# Altium PCB PCB3.PcbDoc (part 2 of 3)
Units mm, origin at the board's own origin, x right, y up, seen from the top; angles counter-clockwise.
Board outline 240 x 180 mm, 2 copper layers (Top Layer, Bottom Layer); 208 components, 303 nets, 1018 pads, 413 vias.
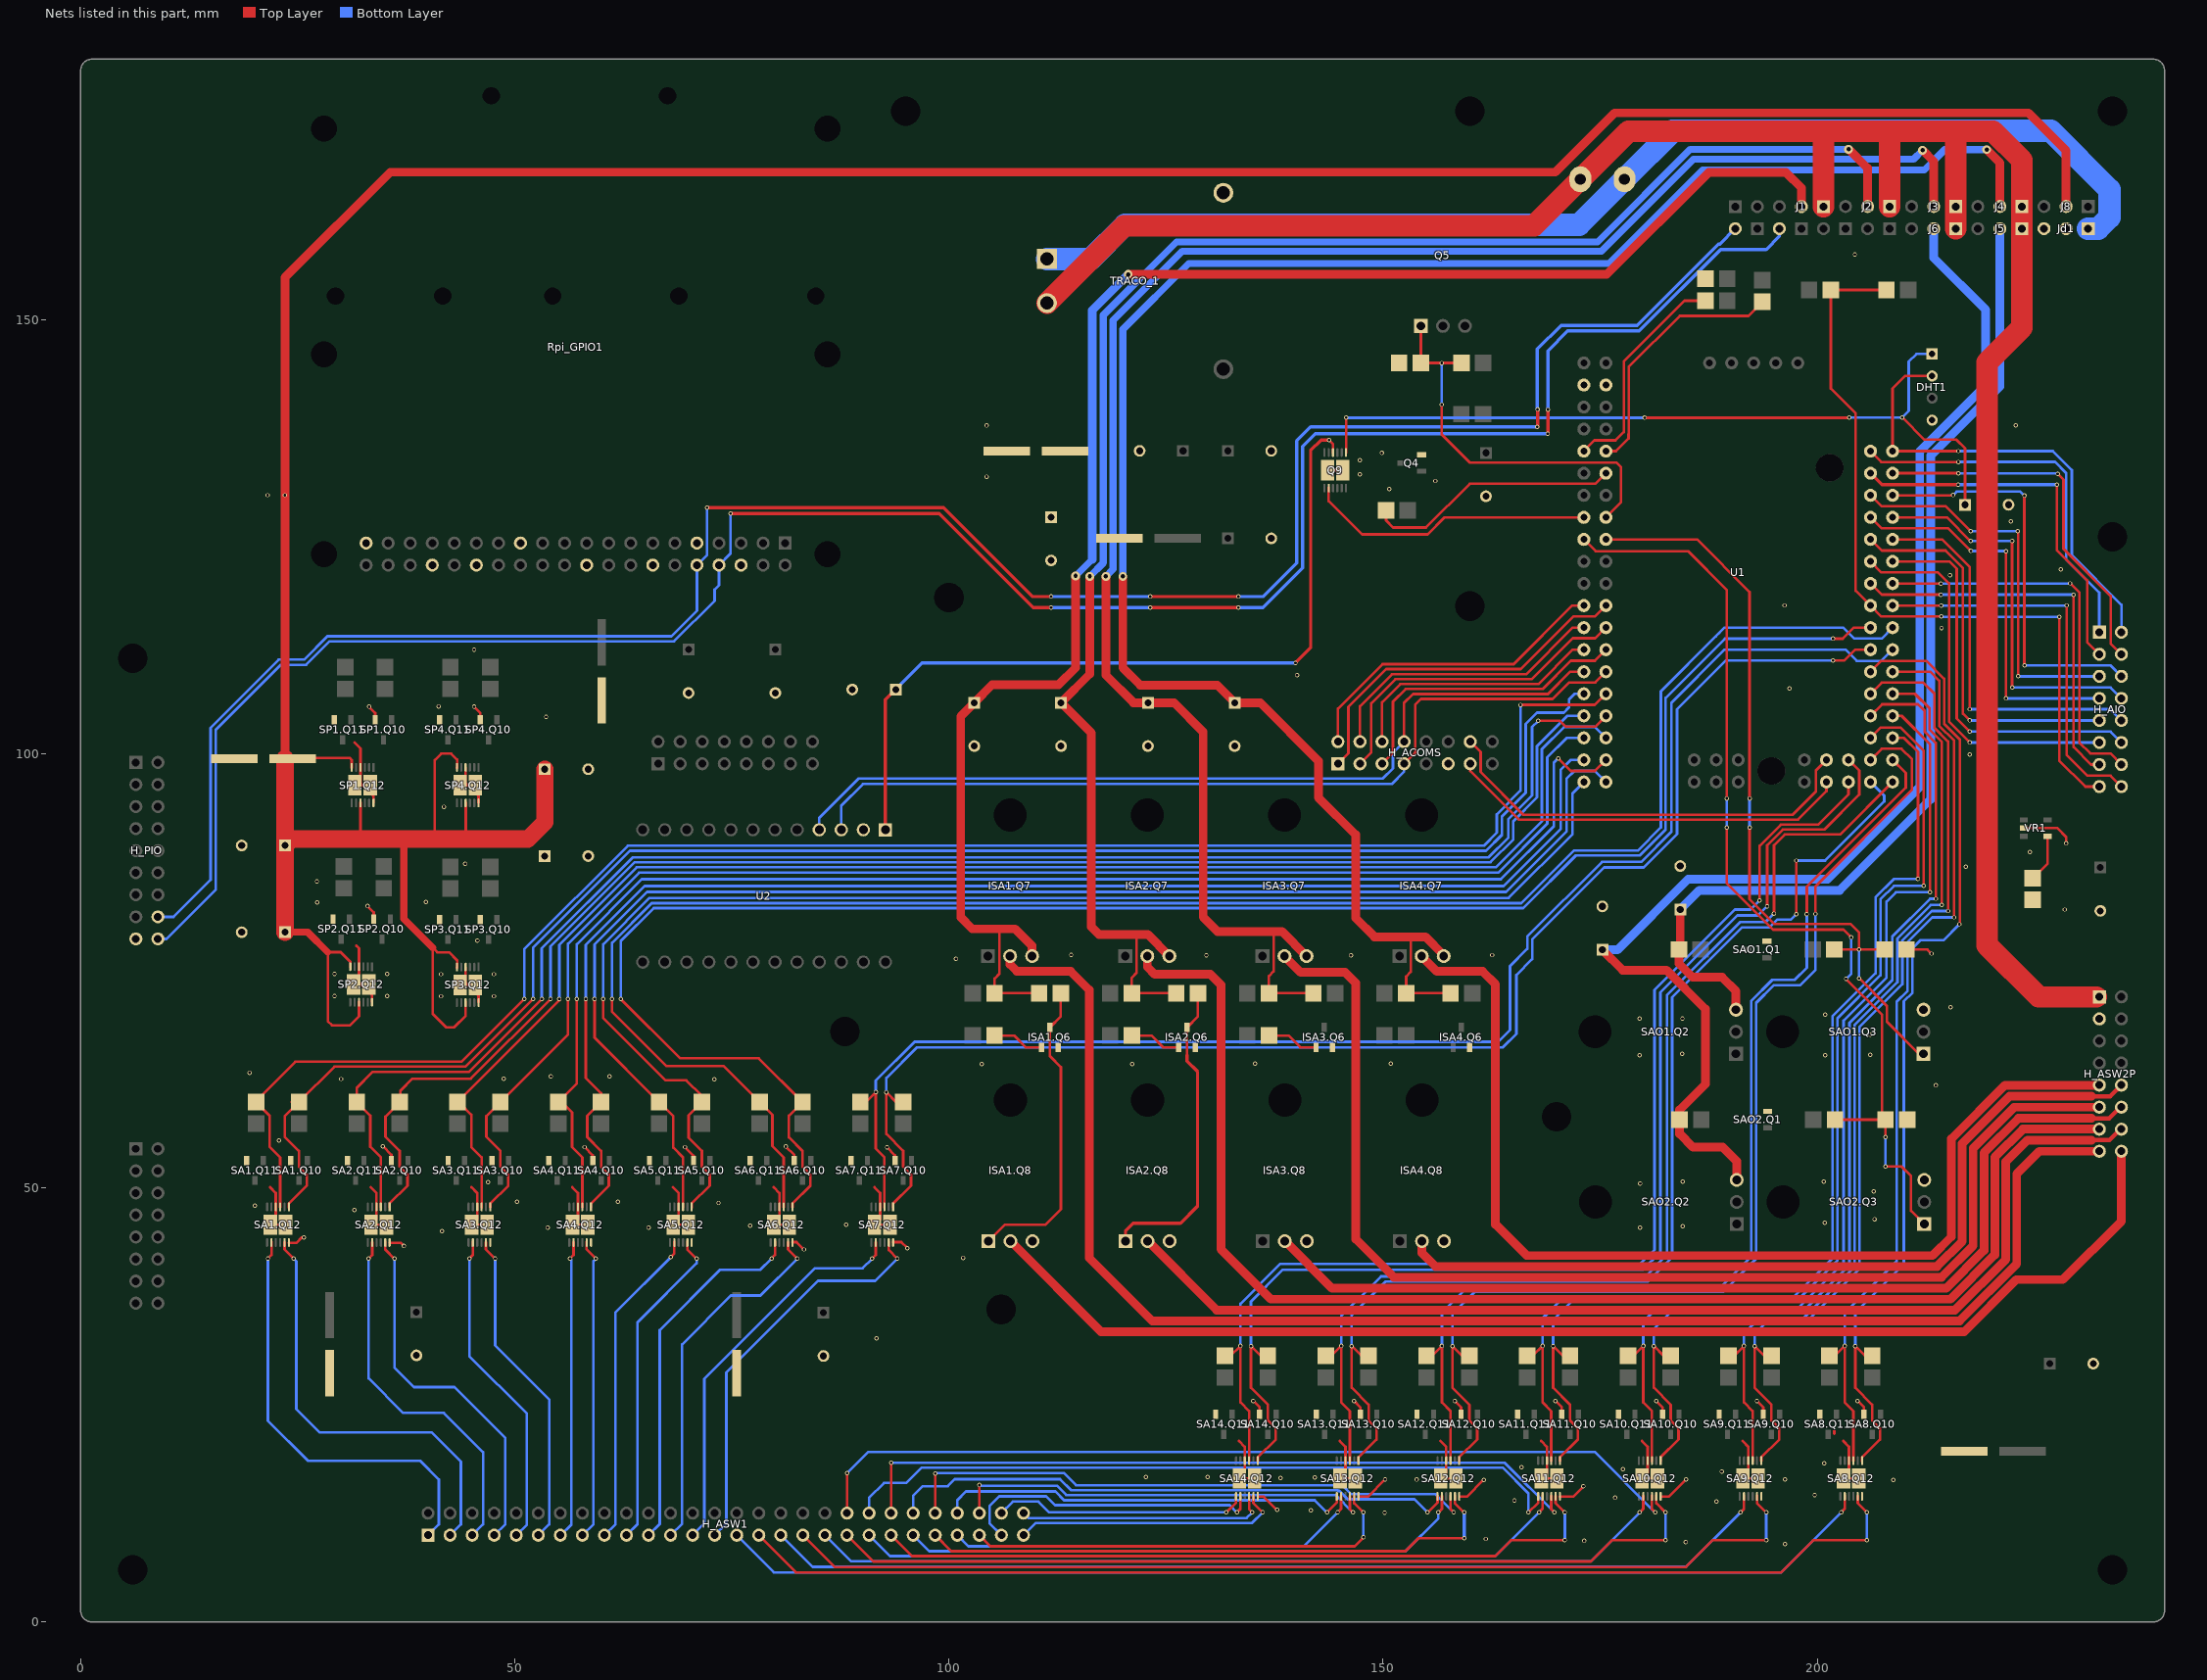
[diagram p2: the nets of this part, all layers, seen from the top]

## Via types
v1: diameter 0.5, hole 0.3, Top Layer to Bottom Layer, 405 vias
v2: diameter 1, hole 0.5, Top Layer to Bottom Layer, 8 vias

## Nets (pads, with @x,y where several pads share a name; then routed paths per layer and width w, separated by ;. In a path a pad name is that pad's centre, name@x,y a point inside that pad or via, vN(x,y) a via of type N, cw(c..) or ccw(c..) an arc to the next point about the centre after c; other vN are vias at no path point) (continued)
5V_HS_20: H_ASW1.40 SA10.Q12.10 | length 103.6
  Top Layer w0.305: H_ASW1.40@88.26,12.54 v1(88.26,17.15) ; SA10.Q12.10@180.97,14.53 180.97,12.994 v1(181.334,12.63)
  Bottom Layer w0.305: v1(88.26,17.15) 90.702,19.592 174.372,19.592 v1(181.334,12.63)
5V_HS_21: H_ASW1.42 SA11.Q12.7 | length 84.9
  Top Layer w0.305: v1(166.734,12.63) 167.87,13.766 SA11.Q12.7@167.87,14.53
  Bottom Layer w0.305: H_ASW1.42@90.8,12.54 90.8,14.3 92.51,16.01 95.08,16.01 96.85,17.78 163.794,17.78 166.734,14.84 v1(166.734,12.63)
5V_HS_22: H_ASW1.44 SA11.Q12.10 | length 86.6
  Top Layer w0.305: H_ASW1.44@93.34,12.54 v1(93.34,18.34) ; SA11.Q12.10@169.37,14.53 169.37,12.994 v1(169.734,12.63)
  Bottom Layer w0.305: v1(93.34,18.34) 164.025,18.339 v1(169.734,12.63)
5V_HS_23: H_ASW1.46 SA12.Q12.7 | length 66
  Top Layer w0.305: v1(155.134,12.63) 156.27,13.766 SA12.Q12.7@156.27,14.53
  Bottom Layer w0.305: H_ASW1.46@95.87,12.54 95.87,14.54 96.97,15.64 99.86,15.64 100.66,16.44 112.799,16.44 114.05,15.189 114.96,15.189 144.765,15.189 144.864,15.09 144.97,15.09 145.92,14.14 153.624,14.14 v1(155.134,12.63)
5V_HS_24: H_ASW1.48 SA12.Q12.10 | length 68.2
  Top Layer w0.305: H_ASW1.48@98.42,12.54 v1(98.42,17.1) ; SA12.Q12.10@157.77,14.53 157.77,12.994 v1(158.134,12.63)
  Bottom Layer w0.305: v1@98.42,17.169 100.598,17.169 113.21,17.169 114.619,15.76 145.3,15.76 146.34,14.72 156.044,14.72 v1(158.134,12.63)
5V_HS_25: H_ASW1.50 SA13.Q12.7 | length 47.8
  Top Layer w0.305: v1(143.534,12.63) 144.67,13.766 SA13.Q12.7@144.67,14.53
  Bottom Layer w0.305: H_ASW1.50@100.96,12.54 100.96,14.02 101.97,15.03 112.26,15.03 113.26,14.03 142.134,14.03 v1(143.534,12.63)
5V_HS_26: H_ASW1.52 SA13.Q12.10 | length 49.7
  Top Layer w0.305: H_ASW1.52@103.5,12.54 v1@103.5,15.7 ; SA13.Q12.10@146.17,14.53 146.17,12.994 v1(146.534,12.63)
  Bottom Layer w0.305: H_ASW1.52@103.5,12.54 H_ASW1.52@103.5,12.73 ; v1@103.5,15.7 112.46,15.7 113.52,14.64 ; 113.52,14.63 144.534,14.63 v1(146.534,12.63)
  other v1: 103.49,15.777
5V_HS_27: H_ASW1.54 SA14.Q12.7 | length 29.3
  Top Layer w0.305: v1(131.934,12.63) 133.07,13.766 SA14.Q12.7@133.07,14.53
  Bottom Layer w0.305: H_ASW1.54@106.04,12.54 107.37,13.87 110.32,13.87 111.56,12.63 v1(131.934,12.63)
5V_HS_28: H_ASW1.56 SA14.Q12.10 | length 28.9
  Top Layer w0.305: SA14.Q12.10@134.57,14.53 134.57,12.994 v1(134.934,12.63)
  Bottom Layer w0.305: H_ASW1.56@108.58,12.54 109.146,11.974 134.277,11.974 v1(134.934,12.63)
5V_LS_1: H_ASW1.1 SA1.Q12.8 | length 50.2
  Top Layer w0.305: v1(21.562,41.86) 21.97,42.268 SA1.Q12.8@21.97,43.76
  Bottom Layer w0.305: v1(21.562,41.86) 21.562,23.168 26.168,18.562 39.086,18.562 41.24,16.408 41.24,11.24 H_ASW1.1@40,10
5V_LS_2: H_ASW1.3 SA1.Q12.11 | length 50.3
  Top Layer w0.305: SA1.Q12.11@23.47,43.76 23.47,42.924 v1(24.534,41.86)
  Bottom Layer w0.305: v1(24.534,41.86) 24.83,41.564 24.83,24.522 27.522,21.83 40.44,21.83 43.78,18.49 43.78,11.24 H_ASW1.3@42.54,10
5V_LS_3: H_ASW1.5 SA2.Q12.8 | length 42.6
  Top Layer w0.305: v1(33.162,41.86) 33.57,42.268 SA2.Q12.8@33.57,43.76
  Bottom Layer w0.305: v1(33.162,41.86) 33.162,28.065 37.149,24.078 41.819,24.078 46.34,19.557 46.34,11.26 H_ASW1.5@45.08,10
5V_LS_4: H_ASW1.7 SA2.Q12.11 | length 42.8
  Top Layer w0.305: SA2.Q12.11@35.07,43.76 35.07,42.924 v1(36.134,41.86)
  Bottom Layer w0.305: v1(36.134,41.86) 36.134,29.296 38.38,27.05 43.05,27.05 48.9,21.2 48.9,11.28 H_ASW1.7@47.62,10
5V_LS_5: H_ASW1.9 SA3.Q12.8 | length 37.2
  Top Layer w0.305: v1(44.762,41.86) 45.17,42.268 SA3.Q12.8@45.17,43.76
  Bottom Layer w0.305: v1(44.762,41.86) 44.762,30.625 51.38,24.007 51.38,11.22 H_ASW1.9@50.16,10
5V_LS_6: H_ASW1.11 SA3.Q12.11 | length 37.3
  Top Layer w0.305: SA3.Q12.11@46.67,43.76 46.67,42.924 v1(47.734,41.86)
  Bottom Layer w0.305: v1(47.734,41.86) 47.734,31.856 53.96,25.63 53.96,11.26 H_ASW1.11@52.7,10
5V_LS_7: H_ASW1.13 SA4.Q12.8 | length 34.5
  Top Layer w0.305: v1(56.362,41.86) 56.77,42.268 SA4.Q12.8@56.77,43.76
  Bottom Layer w0.305: H_ASW1.13@55.3,10.01 56.52,11.23 56.52,41.702 v1(56.362,41.86)
5V_LS_8: H_ASW1.15 SA4.Q12.11 | length 34.8
  Top Layer w0.305: SA4.Q12.11@58.27,43.76 58.27,42.924 v1(59.334,41.86)
  Bottom Layer w0.305: H_ASW1.15@57.78,10 59.05,11.27 59.05,41.576 v1(59.334,41.86)
5V_LS_9: H_ASW1.17 SA5.Q12.8 | length 37.1
  Top Layer w0.305: v1(67.956,42.027) 68.37,42.441 SA5.Q12.8@68.37,43.76
  Bottom Layer w0.305: H_ASW1.17@60.32,10 61.6,11.28 61.6,35.671 v1(67.956,42.027)
5V_LS_10: H_ASW1.19 SA5.Q12.11 | length 37.5
  Top Layer w0.305: SA5.Q12.11@69.87,43.76 69.87,42.924 v1(70.934,41.86)
  Bottom Layer w0.305: H_ASW1.19@62.86,10 64.12,11.26 64.12,34.49 70.934,41.304 v1(70.934,41.86)
5V_LS_11: H_ASW1.21 SA6.Q12.8 | length 42.5
  Top Layer w0.305: v1(79.562,41.86) 79.97,42.268 SA6.Q12.8@79.97,43.76
  Bottom Layer w0.305: H_ASW1.21@65.4,10 66.69,11.29 66.69,33.616 73.656,40.582 78.284,40.582 v1(79.562,41.86)
5V_LS_12: H_ASW1.23 SA6.Q12.11 | length 42.2
  Top Layer w0.305: SA6.Q12.11@81.47,43.76 81.47,42.924 v1(82.534,41.86)
  Bottom Layer w0.305: H_ASW1.23@67.94,10 69.26,11.32 69.26,31.983 74.887,37.61 78.284,37.61 v1(82.534,41.86) v1@82.536,41.858
5V_LS_13: H_ASW1.25 SA7.Q12.8 | length 45.7
  Top Layer w0.305: v1(91.162,41.86) 91.57,42.268 SA7.Q12.8@91.57,43.76
  Bottom Layer w0.305: H_ASW1.25@70.48,10 71.83,11.35 71.83,28.019 84.551,40.74 90.042,40.74 v1(91.162,41.86)
5V_LS_14: H_ASW1.27 SA7.Q12.11 | length 46.7
  Top Layer w0.305: SA7.Q12.11@93.07,43.76 93.07,43.66 93.07,42.84 v1(94.05,41.86)
  Bottom Layer w0.305: H_ASW1.27@73.02,10 74.36,11.34 74.36,28.741 84.924,39.305 91.495,39.305 v1(94.05,41.86) v1@94.056,41.854
5V_LS_15: H_ASW1.29 SA8.Q12.8 | length 133.9
  Top Layer w0.305: v1(202.762,12.63) 203.17,13.038 SA8.Q12.8@203.17,14.53
  Bottom Layer w0.305: H_ASW1.29@75.56,10 79.841,5.719 195.851,5.719 v1(202.762,12.63)
5V_LS_16: H_ASW1.31 SA8.Q12.11 | length 136.5
  Top Layer w0.305: H_ASW1.31@78.1,10 82.381,5.719 195.851,5.719 199.542,9.41 v1(205.734,9.41) ; SA8.Q12.11@204.67,14.53 204.67,13.694 v1(205.734,12.63)
  Bottom Layer w0.305: v1(205.734,9.41) v1(205.734,12.63)
5V_LS_17: H_ASW1.33 SA9.Q12.8 | length 116.7
  Top Layer w0.305: v1(191.162,12.63) 191.57,13.038 SA9.Q12.8@191.57,14.53
  Bottom Layer w0.305: H_ASW1.33@80.64,10 84.286,6.354 184.886,6.354 v1(191.162,12.63)
5V_LS_18: H_ASW1.35 SA9.Q12.11 | length 119.3
  Top Layer w0.305: H_ASW1.35@83.18,10 86.846,6.334 184.866,6.334 187.942,9.41 v1(194.134,9.41) ; SA9.Q12.11@193.07,14.53 193.07,13.694 v1(194.134,12.63)
  Bottom Layer w0.305: v1(194.134,9.41) v1(194.134,12.63)
5V_LS_19: H_ASW1.37 SA10.Q12.8 | length 99.5
  Top Layer w0.305: v1(179.562,12.63) 179.97,13.038 SA10.Q12.8@179.97,14.53
  Bottom Layer w0.305: H_ASW1.37@85.72,10 88.731,6.989 173.921,6.989 v1(179.562,12.63)
5V_LS_20: H_ASW1.39 SA10.Q12.11 | length 102.1
  Top Layer w0.305: H_ASW1.39@88.26,10 91.281,6.979 173.911,6.979 176.342,9.41 v1(182.534,9.41) ; SA10.Q12.11@181.47,14.53 181.47,13.694 v1(182.534,12.63)
  Bottom Layer w0.305: v1(182.534,9.41) v1(182.534,12.63)
5V_LS_21: H_ASW1.41 SA11.Q12.8 | length 82.3
  Top Layer w0.305: v1(167.962,12.63) 168.37,13.038 SA11.Q12.8@168.37,14.53
  Bottom Layer w0.305: H_ASW1.41@90.8,10 93.201,7.599 162.931,7.599 v1(167.962,12.63)
5V_LS_22: H_ASW1.43 SA11.Q12.11 | length 84.9
  Top Layer w0.305: H_ASW1.43@93.34,10 95.751,7.589 162.921,7.589 164.742,9.41 v1(170.934,9.41) ; SA11.Q12.11@169.87,14.53 169.87,13.694 v1(170.934,12.63)
  Bottom Layer w0.305: v1(170.934,9.41) v1(170.934,12.63)
5V_LS_23: H_ASW1.45 SA12.Q12.8 | length 65.6
  Top Layer w0.305: v1(156.362,12.63) 156.77,13.038 SA12.Q12.8@156.77,14.53
  Bottom Layer w0.305: H_ASW1.45@95.88,10 97.721,8.159 152.579,8.159 156.362,11.942 v1(156.362,12.63)
5V_LS_24: H_ASW1.47 SA12.Q12.11 | length 67.6
  Top Layer w0.305: H_ASW1.47@98.42,10 100.261,8.159 152.579,8.159 154.07,9.65 v1(159.35,9.65) ; SA12.Q12.11@158.27,14.53 158.27,13.694 v1(159.334,12.63)
  Bottom Layer w0.381: v1(159.334,12.63) 159.334,9.666 v1(159.35,9.65)
5V_LS_25: H_ASW1.49 SA13.Q12.8 | length 48
  Top Layer w0.305: v1(144.762,12.63) 145.17,13.038 SA13.Q12.8@145.17,14.53
  Bottom Layer w0.305: H_ASW1.49@100.96,10 102.23,8.73 140.862,8.73 v1(144.762,12.63)
5V_LS_26: H_ASW1.51 SA13.Q12.11 | length 50.4
  Top Layer w0.305: H_ASW1.51@103.5,10 104.77,8.73 146.72,8.73 v1(147.75,9.76) ; SA13.Q12.11@146.67,14.53 146.67,13.694 v1(147.734,12.63)
  Bottom Layer w0.305: v1(147.734,12.63) 147.734,9.776 v1(147.75,9.76)
5V_LS_27: H_ASW1.53 SA14.Q12.8 | length 35.7
  Top Layer w0.305: v1(133.162,12.63) 133.57,13.038 SA14.Q12.8@133.57,14.53
  Bottom Layer w0.305: H_ASW1.53@106.04,10 104.67,11.37 104.67,13.33 105.809,14.469 111.191,14.469 112.21,13.45 132.342,13.45 v1(133.162,12.63)
5V_LS_28: H_ASW1.55 SA14.Q12.11 | length 31
  Top Layer w0.305: SA14.Q12.11@135.07,14.53 135.07,13.694 v1(136.134,12.63)
  Bottom Layer w0.305: H_ASW1.55@108.58,10 109.995,11.415 134.919,11.415 v1(136.134,12.63)
5V_SW1: SA1.Q12.3 SA1.R12.1 U1.D22 | length 199.3
  Top Layer w0.305: SA1.R12.1@20.128,59.958 24.7,64.53 43.861,64.53 v1(51.086,71.755) ; SA1.R12.1@20.831,59.887 SA1.R12.1@20.199,59.887 21.752,58.334 21.752,54.739 22.97,53.521 SA1.Q12.3@22.97,47.76 ; v1(165.83,105.63) 174.386,105.63 U1.D22@175.666,106.91
  Bottom Layer w0.305: v1(51.086,71.755) 51.086,77.477 63.017,89.408 161.603,89.408 163.1,90.905 163.1,93.026 165.83,95.756 v1(165.83,105.63)
5V_SW2: SA1.Q12.1 SA1.R11.1 U1.D23 | length 192.9
  Top Layer w0.305: SA1.Q12.1@23.97,47.76 23.97,48.196 26.034,50.26 26.034,51.56 25.134,52.46 25.134,54.257 23.5,55.891 23.5,58.253 SA1.R11.1@25.134,59.887 ; SA1.R11.1@24.306,59.887 SA1.R11.1@25.134,59.887 ; v1(52.094,71.755) 44.31,63.971 29.218,63.971 SA1.R11.1@25.134,59.887
  Bottom Layer w0.305: v1(52.094,71.755) 52.094,77.65 63.262,88.818 161.847,88.818 163.69,90.661 163.69,92.781 166.42,95.511 166.42,103.42 167.74,104.74 170.81,104.74 171.42,105.35 171.42,106.25 172.08,106.91 U1.D23@173.126,106.91
5V_SW3: SA2.Q12.3 SA2.R12.1 U1.D24 | length 187
  Top Layer w0.305: SA2.R12.1@32.431,59.887 SA2.R12.1@31.799,59.887 ; SA2.Q12.3@34.57,47.76 34.57,53.521 33.36,54.731 33.36,58.327 SA2.R12.1@31.799,59.887 ; v1(53.102,71.755) 44.687,63.34 33.6,63.34 31.799,61.539 SA2.R12.1@31.799,59.887 ; v1(167.87,103.8) 170.36,103.8 171.04,103.12 174.416,103.12 U1.D24@175.666,104.37
  Bottom Layer w0.305: v1(53.102,71.755) 53.102,77.598 63.572,88.068 162.158,88.068 164.44,90.35 164.44,92.471 167.17,95.201 167.17,103.1 v1(167.87,103.8)
5V_SW4: SA2.Q12.1 SA2.R11.1 U1.D25 | length 178.5
  Top Layer w0.305: SA2.Q12.1@35.57,47.76 35.57,48.196 37.634,50.26 37.634,51.56 36.734,52.46 36.734,54.257 35.09,55.901 35.09,58.219 SA2.R11.1@36.746,59.875 ; SA2.R11.1@36.734,59.887 36.82,59.973 36.82,61.19 38.21,62.58 44.935,62.58 v1(54.11,71.755)
  Bottom Layer w0.305: v1(54.11,71.755) 54.11,77.814 63.804,87.508 162.39,87.508 165,90.118 165,92.239 167.73,94.969 167.73,100.87 171.23,104.37 U1.D25@173.126,104.37
5V_SW5: SA3.Q12.3 SA3.R12.1 U1.D26 | length 173.2
  Top Layer w0.305: SA3.Q12.3@46.17,47.76 46.17,53.521 44.99,54.701 44.99,58.419 43.777,59.633 44.031,59.887 SA3.R12.1@43.399,59.887 55.118,71.606 v1(55.118,71.755)
  Bottom Layer w0.305: v1(55.118,71.755) 55.118,78 64.045,86.927 163,86.927 168.29,92.216 168.29,100.53 170.87,103.11 174.386,103.11 U1.D26@175.666,101.83
5V_SW6: SA3.Q12.1 SA3.R11.1 U1.D27 | length 167.5
  Top Layer w0.305: SA3.Q12.1@47.17,47.76 47.17,48.196 49.234,50.26 49.234,51.56 48.334,52.46 48.334,54.257 46.71,55.881 46.71,58.263 SA3.R11.1@48.334,59.887 56.126,67.679 v1(56.126,71.755)
  Bottom Layer w0.305: v1(56.126,71.755) 56.126,78.131 64.302,86.307 163.257,86.307 168.91,91.96 168.91,99.58 171.16,101.83 U1.D27@173.126,101.83
5V_SW7: SA4.Q12.3 SA4.R12.1 U1.D28 | length 165.4
  Top Layer w0.305: v1(57.14,71.755) 57.14,62.028 SA4.R12.1@54.999,59.887 55.405,59.887 56.59,58.702 56.59,54.701 57.77,53.521 SA4.Q12.3@57.77,47.76 ; v1(170.175,99.475) 171.62,98.03 174.406,98.03 U1.D28@175.666,99.29
  Bottom Layer w0.305: v1(57.14,71.755) 57.14,78.07 64.617,85.547 163.572,85.547 169.67,91.645 169.67,98.97 v1(170.175,99.475)
5V_SW8: SA4.Q12.1 SA4.R11.1 U1.D29 | length 161.3
  Top Layer w0.305: v1(58.174,71.755) 58.174,62.666 59.934,60.906 SA4.R11.1@59.934,59.887 58.34,58.293 58.34,55.851 59.934,54.257 59.934,52.46 60.834,51.56 60.834,50.26 58.77,48.196 SA4.Q12.1@58.77,47.76
  Bottom Layer w0.305: v1(58.174,71.755) 58.174,78.001 64.94,84.767 163.895,84.767 170.45,91.322 170.45,98.14 171.6,99.29 U1.D29@173.126,99.29
5V_SW9: SA5.Q12.3 SA5.R12.1 U1.D30 | length 163.4
  Top Layer w0.305: v1(59.182,71.755) 59.182,67.305 SA5.R12.1@66.599,59.887 68.25,58.237 68.25,54.641 69.37,53.521 SA5.Q12.3@69.37,47.76
  Bottom Layer w0.305: v1(59.182,71.755) 59.182,78.047 65.222,84.087 164.177,84.087 171.13,91.04 171.13,97.12 172.04,98.03 174.386,98.03 U1.D30@175.666,96.75
5V_SW10: SA5.Q12.1 SA5.R11.1 U1.D31 | length 162.3
  Top Layer w0.305: v1(60.19,71.755) 60.19,69.55 67.35,62.39 69.74,62.39 71.534,60.596 SA5.R11.1@71.534,59.887 70.02,58.373 70.02,55.771 71.534,54.257 71.534,52.46 72.434,51.56 72.434,50.26 70.37,48.196 SA5.Q12.1@70.37,47.76
  Bottom Layer w0.305: v1(60.19,71.755) 60.19,78.065 65.511,83.387 164.467,83.387 171.83,90.75 171.83,95.454 U1.D31@173.126,96.75
5V_SW11: SA6.Q12.3 SA6.R12.1 U1.D32 | length 215.3
  Top Layer w0.305: v1(61.198,71.755) 61.198,70.282 67.46,64.02 74.067,64.02 SA6.R12.1@78.199,59.887 79.66,58.427 79.66,54.831 80.97,53.521 SA6.Q12.3@80.97,47.76
  Bottom Layer w0.305: v1(61.198,71.755) 61.198,78.229 65.759,82.79 165.92,82.79 171.98,88.85 179.325,88.85 181.991,91.516 181.991,107.191 188.323,113.523 188.323,113.532 188.708,113.917 188.717,113.917 189.33,114.53 201.83,114.53 203,114.53 204.259,113.271 207.427,113.271 U1.D32@208.686,114.53
5V_SW12: SA6.Q12.1 SA6.R11.1 U1.D33 | length 215
  Top Layer w0.305: v1(62.206,71.755) 69.041,64.92 78.101,64.92 SA6.R11.1@83.134,59.887 81.56,58.313 81.56,55.831 83.134,54.257 83.134,52.46 84.034,51.56 84.034,50.26 81.97,48.196 SA6.Q12.1@81.97,47.76 ; v1(201.83,113.26) 202.941,113.26 204.211,114.53 U1.D33@206.146,114.53
  Bottom Layer w0.305: v1(62.206,71.755) 62.206,78.445 65.991,82.23 166.152,82.23 172.212,88.29 179.557,88.29 182.55,91.283 182.55,106.44 189.37,113.26 v1(201.83,113.26)
5V_SW13: SA7.Q12.3 SA7.R12.1 U1.D34 | length 169.8
  Top Layer w0.305: SA7.R12.1@89.799,59.887 90.431,59.887 v1(91.574,61.03) 91.574,54.518 92.57,53.521 SA7.Q12.3@92.57,47.76
  Bottom Layer w0.305: v1(91.574,61.03) 91.574,62.353 96.051,66.83 163.27,66.83 164.62,68.18 164.62,75.54 166.616,77.536 166.616,78.956 175.209,87.549 179.749,87.549 183.21,91.009 183.21,105.88 189.32,111.99 203.27,111.99 204.56,110.7 207.396,110.7 U1.D34@208.686,111.99
5V_SW14: SA7.Q12.1 SA7.R11.1 U1.D35 | length 166.9
  Top Layer w0.305: SA7.Q12.1@93.57,47.76 93.57,48.196 95.634,50.26 95.634,51.56 94.734,52.46 94.734,54.257 92.786,56.205 v1(92.786,61.007) 93.906,59.887 SA7.R11.1@94.734,59.887 ; v1(201.83,110.73) 203.12,110.73 204.38,111.99 U1.D35@206.146,111.99
  Bottom Layer w0.305: v1(92.786,61.007) 92.786,62.646 96.32,66.18 159.65,66.18 163.8,66.18 165.36,67.74 165.36,74.521 167.175,76.336 167.175,78.596 175.478,86.899 180.019,86.899 183.86,90.74 183.86,105.13 189.46,110.73 v1(201.83,110.73)
5V_SW15: SA8.Q12.3 SA8.R12.1 U1.D36 | length 105.7
  Top Layer w0.305: SA8.R12.1@201.399,30.657 202.031,30.657 v1(203.174,31.8) 203.174,25.288 204.17,24.291 SA8.Q12.3@204.17,18.53 ; U1.D36@208.686,109.45 213.01,109.45 214.062,108.398 214.062,103.237 215.773,101.526 v1(215.773,81.153)
  Bottom Layer w0.305: v1(203.174,31.8) 203.174,35.574 209.16,41.56 209.16,71.454 210.41,72.704 210.41,78.319 213.244,81.153 v1(215.773,81.153)
5V_SW16: SA8.Q12.1 SA8.R11.1 U1.D37 | length 111.7
  Top Layer w0.305: SA8.Q12.1@205.17,18.53 205.17,18.966 207.234,21.03 207.234,22.33 206.334,23.23 206.334,25.027 204.386,26.975 v1(204.386,31.777) 205.506,30.657 SA8.R11.1@206.334,30.657 ; U1.D37@206.146,109.45 207.396,110.7 212.56,110.7 214.621,108.639 214.621,103.468 216.429,101.66 216.429,80.411 v1(216.38,80.362)
  Bottom Layer w0.305: v1@204.386,31.74 v1(204.386,31.777) 204.386,35.626 209.98,41.22 209.98,71.484 210.969,72.473 210.969,77.619 211.87,78.52 214.538,78.52 v1(216.38,80.362)
5V_SW17: SA9.Q12.3 SA9.R12.1 U1.D38 | length 108.1
  Top Layer w0.305: SA9.R12.1@189.799,30.657 190.431,30.657 v1(191.574,31.8) 191.574,25.288 192.57,24.291 SA9.Q12.3@192.57,18.53 ; U1.D38@208.686,106.91 211.25,106.91 212.945,105.215 212.945,102.774 214.36,101.359 v1(214.36,82.58)
  Bottom Layer w0.305: v1@191.574,31.77 v1(191.574,31.8) 191.574,33.244 193.31,34.98 198.404,34.98 204.303,40.879 204.303,68.753 209.24,73.69 209.24,78.739 213.081,82.58 v1(214.36,82.58)
5V_SW18: SA9.Q12.1 SA9.R11.1 U1.D39 | length 114.9
  Top Layer w0.305: SA9.Q12.1@193.57,18.53 193.57,18.966 195.634,21.03 195.634,22.33 194.734,23.23 194.734,25.027 192.786,26.975 v1(192.786,31.777) 193.906,30.657 SA9.R11.1@194.734,30.657 ; U1.D39@206.146,106.91 207.436,108.2 212.22,108.2 213.503,106.916 213.503,103.006 215.08,101.429 v1(215.08,81.89)
  Bottom Layer w0.305: v1(192.786,31.777) 192.786,33.136 194.07,34.42 198.636,34.42 204.863,40.647 204.863,68.521 209.8,73.458 209.8,78.503 213.187,81.89 v1(215.08,81.89)
5V_SW19: SA10.Q12.3 SA10.R12.1 U1.D40 | length 116.4
  Top Layer w0.305: SA10.R12.1@178.199,30.657 178.831,30.657 v1(179.974,31.8) 179.974,25.288 180.97,24.291 SA10.Q12.3@180.97,18.53 ; U1.D40@208.686,104.37 209.726,104.37 213.01,101.086 v1(213.01,84.05)
  Bottom Layer w0.305: v1(179.974,31.8) 179.974,34.584 181.63,36.24 197.883,36.24 203.043,41.4 203.043,69.275 207.98,74.212 207.98,82.95 209.08,84.05 v1(213.01,84.05)
5V_SW20: SA10.Q12.1 SA10.R11.1 U1.D41 | length 121.2
  Top Layer w0.305: SA10.Q12.1@181.97,18.53 181.97,18.966 184.034,21.03 184.034,22.33 183.134,23.23 183.134,25.027 181.186,26.975 v1(181.186,31.777) 182.306,30.657 SA10.R11.1@183.134,30.657 ; U1.D41@206.146,104.37 207.476,105.7 211.62,105.7 212.386,104.934 212.386,102.543 213.666,101.262 213.666,83.306 v1(213.66,83.3)
  Bottom Layer w0.305: v1(181.186,31.777) 181.186,33.766 182.99,35.57 198.16,35.57 203.713,41.123 203.713,68.997 208.65,73.934 208.65,78.942 213.008,83.3 v1(213.66,83.3)
5V_SW21: SA11.Q12.3 SA11.R12.1 U1.D42 | length 123
  Top Layer w0.305: SA11.R12.1@166.599,30.657 167.231,30.657 v1(168.374,31.8) 168.374,25.288 169.37,24.291 SA11.Q12.3@169.37,18.53 ; U1.D42@208.686,101.83 209.98,101.83 211.61,100.2 v1(211.61,85.57)
  Bottom Layer w0.305: v1(168.374,31.8) 168.374,34.984 170.888,37.498 197.362,37.498 201.785,41.921 201.785,69.796 206.722,74.733 206.722,83.471 208.821,85.57 v1(211.61,85.57)
5V_SW22: SA11.Q12.1 SA11.R11.1 U1.D43 | length 128.8
  Top Layer w0.305: SA11.Q12.1@170.37,18.53 170.37,18.966 172.434,21.03 172.434,22.33 171.534,23.23 171.534,25.027 169.586,26.975 v1(169.586,31.777) 170.706,30.657 SA11.R11.1@171.534,30.657 ; U1.D43@206.146,101.83 207.336,103.02 209.58,103.02 212.27,100.33 v1(212.27,84.78)
  Bottom Layer w0.305: v1(169.586,31.777) 169.586,34.806 171.713,36.933 197.596,36.933 202.35,41.688 202.35,69.562 207.287,74.499 207.287,83.237 208.83,84.78 v1(212.27,84.78)
5V_SW23: SA12.Q12.3 SA12.R12.1 U1.D44 | length 124.8
  Top Layer w0.305: SA12.R12.1@154.999,30.657 155.631,30.657 v1(156.774,31.8) 156.774,25.288 157.77,24.291 SA12.Q12.3@157.77,18.53 ; v1(198.8,81.54) 198.8,84.69 210.196,96.086 210.196,97.78 U1.D44@208.686,99.29
  Bottom Layer w0.305: v1(156.774,31.8) 156.774,35.64 159.764,38.63 188.96,38.63 192.397,42.067 192.397,71.527 194.83,73.96 197.4,73.96 198.8,75.36 v1(198.8,81.54)
5V_SW24: SA12.Q12.1 SA12.R11.1 U1.D45 | length 131.5
  Top Layer w0.305: SA12.Q12.1@158.77,18.53 158.77,18.966 160.834,21.03 160.834,22.33 159.934,23.23 159.934,25.027 157.986,26.975 v1(157.986,31.777) 159.106,30.657 SA12.R11.1@159.934,30.657 ; v1(199.8,81.55) 199.8,84.739 210.92,95.859 210.92,99.356 209.696,100.58 207.436,100.58 U1.D45@206.146,99.29
  Bottom Layer w0.305: v1(157.986,31.777) 157.986,35.456 160.587,38.057 189.197,38.057 192.97,41.83 192.97,71.31 194.995,73.334 198.014,73.334 199.8,75.12 v1(199.8,81.55)
5V_SW25: SA13.Q12.3 SA13.R12.1 U1.D46 | length 130.5
  Top Layer w0.305: SA13.R12.1@143.399,30.657 144.031,30.657 v1(145.174,31.8) 145.174,25.288 146.17,24.291 SA13.Q12.3@146.17,18.53 ; v1(195.024,81.6) 195.024,89.464 196.269,90.709 202.645,90.709 U1.D46@208.686,96.75